# KiCad board hat_modder.kicad_pcb
title: afterglow 3.0 Hat; date: 2024; rev: 1.0; company: bitfield labs
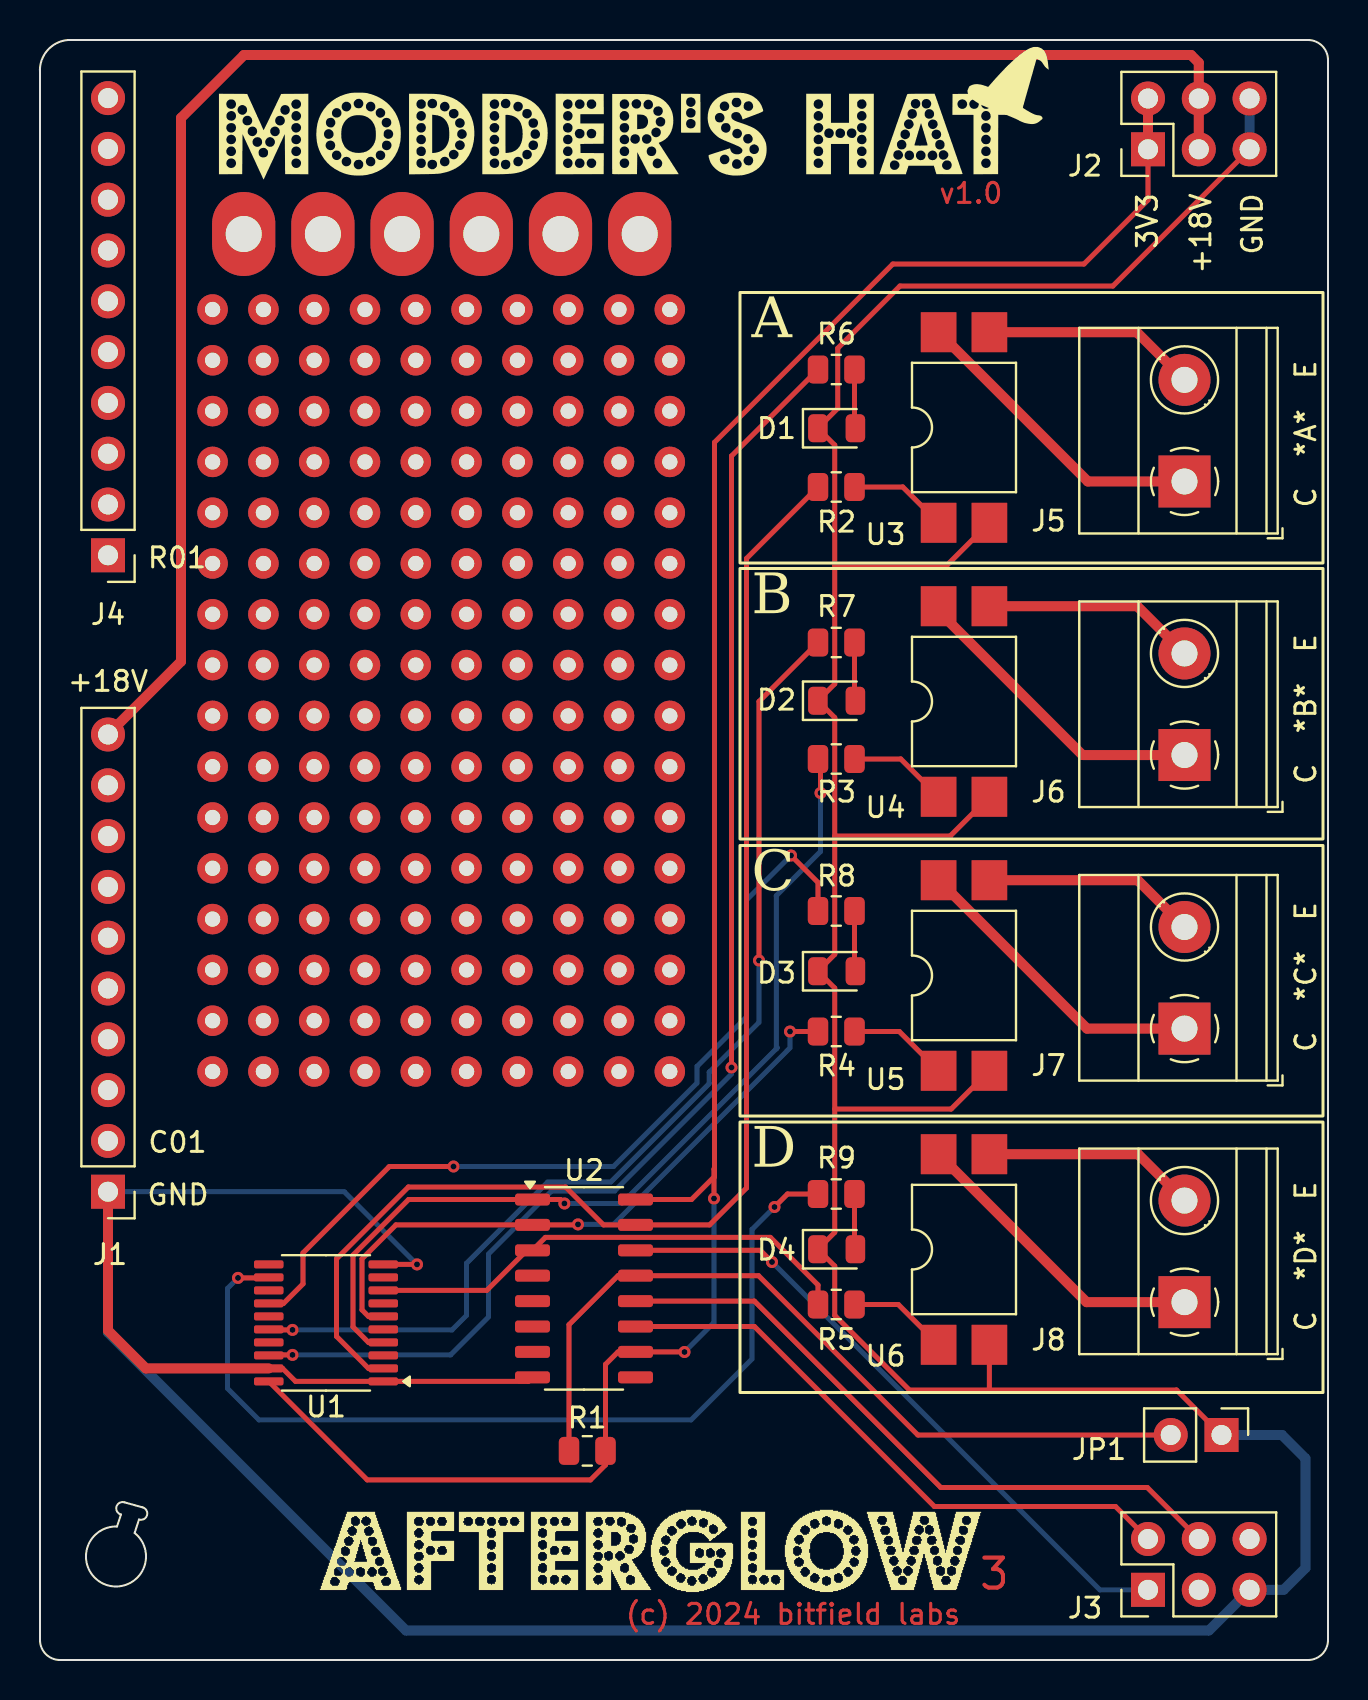
[diagram p0: board, top side]
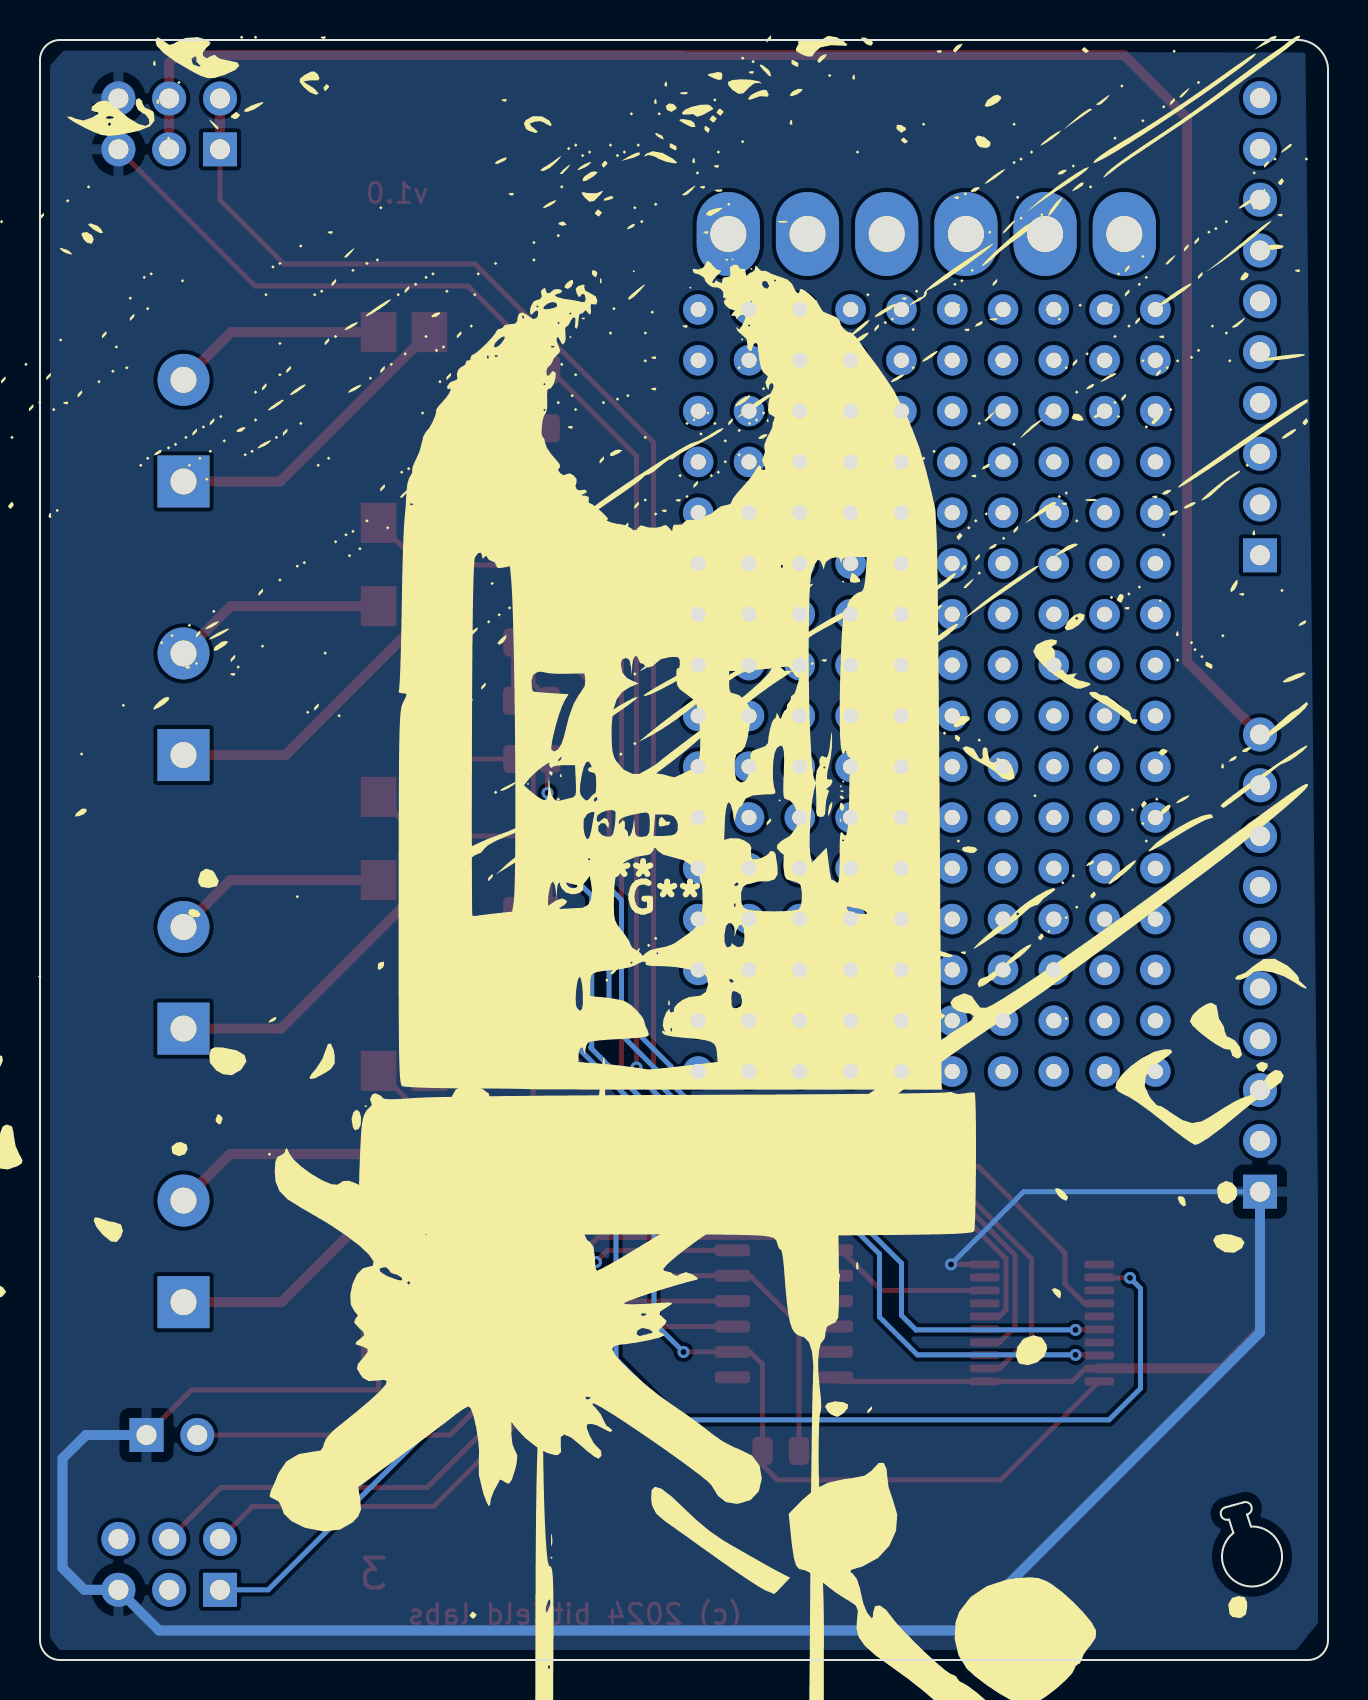
[diagram p1: board, bottom side, seen from below]

Outline 64.4 x 81 mm; copper layers: Top, Bottom. Coordinates in mm from the lower left corner of the outline.
Outline path: 4.95,7.03 4.73,6.35 arc(3.28,3.77) 3.85,6.68 4.05,7.28 arc(3.82,7.67) 4.23,7.88 5.13,7.63 arc(5.35,7.24) 4.95,7.03 ; 0,79.37 arc(0.37,80.48) 1.41,81 63.4,81 arc(64.11,80.71) 64.4,80 64.4,1 arc(64.11,0.29) 63.4,0 1,0 arc(0.29,0.29) 0,1 0,79.37
Stack: Top 0.035mm / dielectric 1.51mm FR4 er 4.5 / Bottom 0.035mm

## Placement (name value [footprint] x y rotation side)
afterglow  -  [afterglow]  14 7.5 0 top
D1  LED  [LED_0805_2012Metric]  39.83 61.59 0 top
D2  LED  [LED_0805_2012Metric]  39.83 47.96 0 top
D3  LED  [LED_0805_2012Metric]  39.83 34.44 0 top
D4  LED  [LED_0805_2012Metric]  39.83 20.54 0 top
DIYPAD**  -  [protopad]  8.63 67.53 0 top
G***  LOGO  [hat]  48.78 79.08 338 top
G***#2  LOGO  [modders_hat]  28.95 76.2 0 top
G***#3  LOGO  [background2]  32.65 38.1 180 bottom
G***#4  LOGO  [background]  36.14 39.12 180 bottom
J1  Conn_01x10_Pin  [PinHeader_1x10_P2.54mm_Vertical]  3.4 23.42 180 top
J2  Conn_02x03_Odd_Even  [PinHeader_2x03_P2.54mm_Vertical]  55.4 75.54 90 top
J3  Conn_02x03_Odd_Even  [PinHeader_2x03_P2.54mm_Vertical]  55.4 3.51 90 top
J4  Conn_01x10_Pin  [PinHeader_1x10_P2.54mm_Vertical]  3.4 55.24 180 top
J5  Conn_01x02_Socket  [TerminalBlock_Phoenix_MKDS-1,5-2-5.08_1x02_P5.08mm_Horizontal]  57.22 58.93 90 top
J6  Conn_01x02_Socket  [TerminalBlock_Phoenix_MKDS-1,5-2-5.08_1x02_P5.08mm_Horizontal]  57.22 45.25 90 top
J7  Conn_01x02_Socket  [TerminalBlock_Phoenix_MKDS-1,5-2-5.08_1x02_P5.08mm_Horizontal]  57.22 31.57 90 top
J8  Conn_01x02_Socket  [TerminalBlock_Phoenix_MKDS-1,5-2-5.08_1x02_P5.08mm_Horizontal]  57.22 17.89 90 top
JP1  Jumper_2_Open  [PinHeader_1x02_P2.54mm_Vertical]  59.08 11.25 270 top
R1  1k  [R_0805_2012Metric]  27.36 10.46 0 top
R2  220  [R_0805_2012Metric]  39.81 58.65 180 top
R3  220  [R_0805_2012Metric]  39.81 45.05 180 top
R4  220  [R_0805_2012Metric]  39.81 31.43 180 top
R5  220  [R_0805_2012Metric]  39.81 17.78 180 top
R6  1k  [R_0805_2012Metric]  39.81 64.53 180 top
R7  1k  [R_0805_2012Metric]  39.81 50.88 180 top
R8  1k  [R_0805_2012Metric]  39.81 37.45 180 top
R9  1k  [R_0805_2012Metric]  39.81 23.3 180 top
REF**  -  [P3.96mm_pinpad]  6.23 71.3 0 top
U1  74HC244  [TSSOP-20_4.4x6.5mm_P0.65mm]  14.3 16.86 180 top
U2  74HC595  [SO-16_3.9x9.9mm_P1.27mm]  27.2 18.58 0 top
U3  PC817  [SMDIP-4_W9.53mm]  46.2 61.63 90 top
U4  PC817  [SMDIP-4_W9.53mm]  46.2 47.93 90 top
U5  PC817  [SMDIP-4_W9.53mm]  46.2 34.23 90 top
U6  PC817  [SMDIP-4_W9.53mm]  46.2 20.53 90 top

## Library data of the parts
D1-D4 = -: JLCPCB: C72038; ki_fp_filters: LED* LED_SMD:* LED_THT:*
J1 J4 = -: ki_fp_filters: Connector*:*_1x??_*
J2 J3 = -: JLCPCB: C92272; ki_fp_filters: Connector*:*_2x??_*
J5-J8 = -: Description: Generic connector, single row, 01x02, script generated; ki_fp_filters: Connector*:*_1x??_*
JP1 = -: Description: Jumper, 2-pole, open; ki_fp_filters: Jumper* TestPoint*2Pads* TestPoint*Bridge*
R1 R6-R9 = -: JLCPCB: C11702; ki_fp_filters: R_*
R2-R5 = -: JLCPCB: C17557; ki_fp_filters: R_*
U1 = -: Datasheet: https://assets.nexperia.com/documents/data-sheet/74HC_HCT244.pdf; Description: 8-bit Buffer/Line Driver 3-state; ki_fp_filters: TSSOP*4.4x6.5mm*P0.65mm* SSOP*4.4x6.5mm*P0.65mm*
U2 = -: Datasheet: http://www.ti.com/lit/ds/symlink/sn74hc595.pdf; Description: 8-bit serial in/out Shift Register 3-State Outputs; ki_fp_filters: DIP*W7.62mm* SOIC*3.9x9.9mm*P1.27mm* TSSOP*4.4x5mm*P0.65mm* SOIC*5.3x10.2mm*P1.27mm* SOIC*7.5x10.3mm*P1.27mm*
U3-U6 = -: Datasheet: http://www.soselectronic.cz/a_info/resource/d/pc817.pdf; JLCPCB: C3025164; ki_fp_filters: DIP*W7.62mm*

## Footprints (pads in the part's own frame, mm; a bottom-side part is the same pattern mirrored in y, then rotated)
LED_0805_2012Metric
  rrect 0.975x1.4 smd: 1(-0.938,0) 2(0.938,0)
P3.96mm_pinpad
  oval 3.16x4.2 hole 1.8: 2(3.96,0) 3(7.92,0) 4(11.88,0) 5(15.84,0) 6(19.8,0) 7(23.76,0)
PinHeader_1x02_P2.54mm_Vertical
  rect 1.7x1.7 hole 1: 1(0,0)
  oval 1.7x1.7 hole 1: 2(0,-2.54)
PinHeader_1x10_P2.54mm_Vertical
  rect 1.7x1.7 hole 1: 1(0,0)
  oval 1.7x1.7 hole 1: 2(0,-2.54) 3(0,-5.08) 4(0,-7.62) 5(0,-10.16) 6(0,-12.7) 7(0,-15.24) 8(0,-17.78) 9(0,-20.32) 10(0,-22.86)
PinHeader_2x03_P2.54mm_Vertical
  rect 1.7x1.7 hole 1: 1(0,0)
  oval 1.7x1.7 hole 1: 2(2.54,0) 3(0,-2.54) 4(2.54,-2.54) 5(0,-5.08) 6(2.54,-5.08)
protopad
  round 1.524 hole 0.762: 1(0,0) 2(2.54,0) 3(5.08,0) 4(7.62,0) 5(10.16,0) 6(12.7,0) 7(15.24,0) 8(17.78,0) 9(20.32,0) 10(22.86,0) 11(0,-2.54) 12(2.54,-2.54) 13(5.08,-2.54) 14(7.62,-2.54) 15(10.16,-2.54) 16(12.7,-2.54) 17(15.24,-2.54) 18(17.78,-2.54) 19(20.32,-2.54) 20(22.86,-2.54) 21(0,-5.08) 22(2.54,-5.08) 23(5.08,-5.08) 24(7.62,-5.08) 25(10.16,-5.08) 26(12.7,-5.08) 27(15.24,-5.08) 28(17.78,-5.08) 29(20.32,-5.08) 30(22.86,-5.08) 31(0,-7.62) 32(2.54,-7.62) 33(5.08,-7.62) 34(7.62,-7.62) 35(10.16,-7.62) 36(12.7,-7.62) 37(15.24,-7.62) 38(17.78,-7.62) 39(20.32,-7.62) 40(22.86,-7.62) 41(0,-10.16) 42(2.54,-10.16) 43(5.08,-10.16) 44(7.62,-10.16) 45(10.16,-10.16) 46(12.7,-10.16) 47(15.24,-10.16) 48(17.78,-10.16) 49(20.32,-10.16) 50(22.86,-10.16) 51(0,-12.7) 52(2.54,-12.7) 53(5.08,-12.7) 54(7.62,-12.7) 55(10.16,-12.7) 56(12.7,-12.7) 57(15.24,-12.7) 58(17.78,-12.7) 59(20.32,-12.7) 60(22.86,-12.7) 61(0,-15.24) 62(2.54,-15.24) 63(5.08,-15.24) 64(7.62,-15.24) 65(10.16,-15.24) 66(12.7,-15.24) 67(15.24,-15.24) 68(17.78,-15.24) 69(20.32,-15.24) 70(22.86,-15.24) 71(0,-17.78) 72(2.54,-17.78) 73(5.08,-17.78) 74(7.62,-17.78) 75(10.16,-17.78) 76(12.7,-17.78) 77(15.24,-17.78) 78(17.78,-17.78) 79(20.32,-17.78) 80(22.86,-17.78) 81(0,-20.32) 82(2.54,-20.32) 83(5.08,-20.32) 84(7.62,-20.32) 85(10.16,-20.32) 86(12.7,-20.32) 87(15.24,-20.32) 88(17.78,-20.32) 89(20.32,-20.32) 90(22.86,-20.32) 91(0,-22.86) 92(2.54,-22.86) 93(5.08,-22.86) 94(7.62,-22.86) 95(10.16,-22.86) 96(12.7,-22.86) 97(15.24,-22.86) 98(17.78,-22.86) 99(20.32,-22.86) 100(22.86,-22.86) 101(0,-25.4) 102(2.54,-25.4) 103(5.08,-25.4) 104(7.62,-25.4) 105(10.16,-25.4) 106(12.7,-25.4) 107(15.24,-25.4) 108(17.78,-25.4) 109(20.32,-25.4) 110(22.86,-25.4) 111(0,-27.94) 112(2.54,-27.94) 113(5.08,-27.94) 114(7.62,-27.94) 115(10.16,-27.94) 116(12.7,-27.94) 117(15.24,-27.94) 118(17.78,-27.94) 119(20.32,-27.94) 120(22.86,-27.94) 121(0,-30.48) 122(2.54,-30.48) 123(5.08,-30.48) 124(7.62,-30.48) 125(10.16,-30.48) 126(12.7,-30.48) 127(15.24,-30.48) 128(17.78,-30.48) 129(20.32,-30.48) 130(22.86,-30.48) 131(0,-33.02) 132(2.54,-33.02) 133(5.08,-33.02) 134(7.62,-33.02) 135(10.16,-33.02) 136(12.7,-33.02) 137(15.24,-33.02) 138(17.78,-33.02) 139(20.32,-33.02) 140(22.86,-33.02) 141(0,-35.56) 142(2.54,-35.56) 143(5.08,-35.56) 144(7.62,-35.56) 145(10.16,-35.56) 146(12.7,-35.56) 147(15.24,-35.56) 148(17.78,-35.56) 149(20.32,-35.56) 150(22.86,-35.56) 151(0,-38.1) 152(2.54,-38.1) 153(5.08,-38.1) 154(7.62,-38.1) 155(10.16,-38.1) 156(12.7,-38.1) 157(15.24,-38.1) 158(17.78,-38.1) 159(20.32,-38.1) 160(22.86,-38.1)
R_0805_2012Metric
  rrect 1.025x1.4 smd: 1(-0.912,0) 2(0.912,0)
SMDIP-4_W9.53mm
  rect 2x1.78 smd: 1(-4.765,1.27) 2(-4.765,-1.27) 3(4.765,-1.27) 4(4.765,1.27)
SO-16_3.9x9.9mm_P1.27mm
  rrect 1.75x0.6 smd: 1(-2.575,4.445) 2(-2.575,3.175) 3(-2.575,1.905) 4(-2.575,0.635) 5(-2.575,-0.635) 6(-2.575,-1.905) 7(-2.575,-3.175) 8(-2.575,-4.445) 9(2.575,-4.445) 10(2.575,-3.175) 11(2.575,-1.905) 12(2.575,-0.635) 13(2.575,0.635) 14(2.575,1.905) 15(2.575,3.175) 16(2.575,4.445)
TerminalBlock_Phoenix_MKDS-1,5-2-5.08_1x02_P5.08mm_Horizontal
  rect 2.6x2.6 hole 1.3: 1(0,0)
  round 2.6 hole 1.3: 2(5.08,0)
TSSOP-20_4.4x6.5mm_P0.65mm
  rrect 1.475x0.4 smd: 1(-2.862,2.925) 2(-2.862,2.275) 3(-2.862,1.625) 4(-2.862,0.975) 5(-2.862,0.325) 6(-2.862,-0.325) 7(-2.862,-0.975) 8(-2.862,-1.625) 9(-2.862,-2.275) 10(-2.862,-2.925) 11(2.862,-2.925) 12(2.862,-2.275) 13(2.862,-1.625) 14(2.862,-0.975) 15(2.862,-0.325) 16(2.862,0.325) 17(2.862,0.975) 18(2.862,1.625) 19(2.862,2.275) 20(2.862,2.925)

## Nets
/3V3: J2.1 J2.2 R1.2 U1.20 U2.10 U2.16
/18V: J1.10 J2.3 J2.4
GND: D1.1 D2.1 D3.1 D4.1 J1.1 J2.5 J2.6 J3.5 JP1.1 U1.1 U1.10 U1.19 U2.8 U3.2 U4.2 U5.2 U6.2
/CO_A: J5.1 U3.4
/CO_B: J6.1 U4.4
/CO_C: J7.1 U5.4
/CO_D: J8.1 U6.4
/D_SCL: J3.3
/D_SDA: J3.6
/EM_A: J5.2 U3.3
/EM_B: J6.2 U4.3
/EM_C: J7.2 U5.3
/EM_D: J8.2 U6.3
/LED_A: R6.2 U1.18
/LED_B: R7.2 U1.16
/LED_C: R8.2 U1.14
/LED_D: R9.2 U1.12
/MOS_CO1: J1.2
/MOS_CO2: J1.3
/MOS_CO3: J1.4
/MOS_CO4: J1.5
/MOS_CO5: J1.6
/MOS_CO6: J1.7
/MOS_CO7: J1.8
/MOS_CO8: J1.9
/MOS_RO1: J4.1
/MOS_RO2: J4.2
/MOS_RO3: J4.3
/MOS_RO4: J4.4
/MOS_RO5: J4.5
/MOS_RO6: J4.6
/MOS_RO7: J4.7
/MOS_RO8: J4.8
/MOS_RO9: J4.9
/MOS_RO10: J4.10
/OUT_A: R2.2 U1.2 U2.15
/OUT_B: R3.2 U1.4 U2.1
/OUT_C: R4.2 U1.6 U2.2
/OUT_CLK: J3.2 U2.11
/OUT_D: R5.2 U1.8 U2.3
/OUT_DATA: J3.1 U2.14
/OUT_LOAD: J3.4 U2.12
Net-(D1-A): D1.2 R6.1
Net-(D2-A): D2.2 R7.1
Net-(D3-A): D3.2 R8.1
Net-(D4-A): D4.2 R9.1
Net-(JP1-B): JP1.2 R1.1 U2.13
Net-(R2-Pad1): R2.1 U3.1
Net-(R3-Pad1): R3.1 U4.1
Net-(R4-Pad1): R4.1 U5.1
Net-(R5-Pad1): R5.1 U6.1

Pads without a net: DIYPAD** 1 2 3 4 5 6 7 8 9 10 11 12 13 14 15 16 17 18 19 20 21 22 23 24 25 26 27 28 29 30 31 32 33 34 35 36 37 38 39 40 41 42 43 44 45 46 47 48 49 50 51 52 53 54 55 56 57 58 59 60 61 62 63 64 65 66 67 68 69 70 71 72 73 74 75 76 77 78 79 80 81 82 83 84 85 86 87 88 89 90 91 92 93 94 95 96 97 98 99 100 101 102 103 104 105 106 107 108 109 110 111 112 113 114 115 116 117 118 119 120 121 122 123 124 125 126 127 128 129 130 131 132 133 134 135 136 137 138 139 140 141 142 143 144 145 146 147 148 149 150 151 152 153 154 155 156 157 158 159 160; REF** 2 3 4 5 6 7; U1 3 5 7 9 11 13 15 17; U2 4 5 6 7 9

## Via types
v1: diameter 0.6, hole 0.3, Top to Bottom, 16 vias

## Routing (per net, layer and track width the routed paths; a pad name or vN(x,y) marks a point on that pad's centre or on a via; arc(x,y) is an arc through that point)
/3V3: length 111.2
  Top w0.25: v1(33.7,23.08) 33.7,24.55 33.72,24.58 ; U2.16 32.58,23.03 33.72,24.18 ; U1.20 16.36,9.01 27.53,9.01 28.28,9.76 R1.2 28.28,14.78 28.9,15.41 U2.10 32.22,15.41 v1(32.22,15.4) ; 33.72,24.58 33.72,24.18 ; 33.72,24.58 33.72,60.88 42.64,69.8 52.2,69.8 55.4,73 J2.1 ; 33.72,24.18 33.72,24.15
  Top w0.5: 55.4,78.08 J2.1
  Bottom w0.25: v1(32.22,15.4) 33.7,16.88 v1(33.7,23.08)
/18V: length 89
  Top w0.5: J1.10 7.05,49.93 7.05,77.1 10.2,80.25 57.55,80.25 57.94,79.86 J2.3
GND: length 260.7
  Top w0.25: 39.74,41.2 39.74,47.12 D2.1 39.74,48.81 39.74,54.75 ; 39.74,41.2 39.74,35.28 D3.1 39.74,33.6 39.74,27.55 ; 39.74,41.2 45.51,41.2 U4.2 ; 39.74,54.75 39.74,60.75 D1.1 39.89,62.58 39.89,65.59 43,68.7 53.65,68.7 J2.5 ; 39.74,54.75 45.36,54.75 U3.2 ; U1.10 v1(18.85,19.78) ; 47.45,13.5 56.83,13.5 JP1.1 ; 47.45,13.5 47.47,13.52 U6.2 ; 47.45,13.5 43.47,13.5 39.74,17.23 39.74,19.7 D4.1 39.74,21.38 39.74,27.55 ; 39.74,27.55 45.56,27.55 U5.2 ; U1.19 12.13,14.58 12.78,13.93 U1.1 24.42,13.93 24.62,14.14
  Top w0.5: U1.19 5.3,14.58 3.4,16.48 J1.1
  Bottom w0.25: J1.1 15.22,23.42 v1(18.85,19.78)
  Bottom w0.5: JP1.1 62.1,11.25 63.28,10.08 63.28,4.6 62.19,3.51 J3.5 58.44,1.48 18.3,1.48 3.4,16.38 J1.1 ; 60.48,78.08 J2.5
/CO_A: length 15.4
  Top w0.5: U3.4 52.39,58.93 J5.1
/CO_B: length 15.5
  Top w0.5: J6.1 52.12,45.25 44.93,52.44 U4.4
/CO_C: length 15.4
  Top w0.5: J7.1 52.35,31.57 U5.4
/CO_D: length 15.4
  Top w0.5: U6.4 52.33,17.89 J8.1
/EM_A: length 10.7
  Top w0.5: U3.3 54.84,66.39 J5.2
/EM_B: length 10.7
  Top w0.5: J6.2 54.86,52.69 U4.3
/EM_C: length 10.7
  Top w0.5: U5.3 54.89,38.99 J7.2
/EM_D: length 10.7
  Top w0.5: U6.3 54.91,25.29 J8.2
/LED_A: length 67.8
  Top w0.25: v1(34.58,29.63) 34.58,60.2 R6.2 ; v1(12.62,15.26) 11.46,15.26 U1.18
  Bottom w0.25: v1(12.62,15.26) 20.53,15.26 22.43,17.15 22.43,20.3 25.58,23.45 28.73,23.45 34.58,29.3 v1(34.58,29.63)
/LED_B: length 53
  Top w0.25: v1(35.95,34.98) 35.95,47.93 R7.2 ; U1.16 11.46,16.51 v1(12.62,16.51)
  Bottom w0.25: 20.6,16.51 v1(12.62,16.51) ; 20.6,16.51 21.33,17.23 21.33,19.84 25.39,23.9 28.54,23.9 33.46,28.82 33.46,29.39 35.95,31.88 v1(35.95,34.98) ; 20.6,16.51 20.61,16.51
/LED_C: length 43.5
  Top w0.25: U1.14 12.17,17.83 13.15,18.81 13.15,20.36 17.47,24.68 v1(20.68,24.68) ; R8.2 38.9,38.88 v1(37.55,40.23)
  Bottom w0.25: v1(20.68,24.68) 28.68,24.68 32.85,28.85 32.85,29.68 35.33,32.15 35.33,38 v1(37.55,40.23)
/LED_D: length 45.9
  Top w0.25: v1(36.72,22.65) 37.38,23.3 R9.2 ; v1(9.9,19.11) 11.41,19.11 U1.12
  Bottom w0.25: v1(9.9,19.11) 9.38,18.58 9.38,13.58 10.95,12.01 32.56,12.01 35.6,15.05 35.6,21.53 v1(36.72,22.65)
/OUT_A: length 66.9
  Top w0.25: R2.2 35.33,55.08 35.33,23.6 33.48,21.76 U2.15 28.18,21.76 26.28,23.65 18.42,23.65 14.83,20.06 14.83,16.18 16.43,14.58 U1.2
/OUT_B: length 46.6
  Top w0.25: v1(39.03,43.35) 39.03,44.93 R3.2 ; v1(26.22,22.83) 26.02,23.03 18.43,23.03 15.65,20.25 15.65,16.66 16.43,15.88 U1.4
  Bottom w0.25: 36.81,30.56 36.81,38.21 39.03,40.43 v1(39.03,43.35) ; 36.81,30.56 36.88,30.62 ; 36.81,30.56 29.08,22.83 v1(26.22,22.83)
/OUT_C: length 31.7
  Top w0.25: U1.6 16.43,17.18 16.1,17.51 16.1,20.06 17.8,21.76 26.88,21.76 v1(26.9,21.78) ; v1(37.5,31.43) R4.2
  Bottom w0.25: v1(26.9,21.78) 28.67,21.78 37.5,30.61 v1(37.5,31.43)
/OUT_CLK: length 30
  Top w0.25: U2.11 35.72,16.68 44.72,7.68 53.78,7.68 J3.2
/OUT_D: length 24.8
  Top w0.25: R5.2 38.9,18.75 36.52,21.13 25.27,21.13 24.62,20.49 24.34,20.49 22.34,18.48 U1.8
/OUT_DATA: length 32.7
  Top w0.25: v1(36.6,19.9) 36.02,20.49 U2.14
  Bottom w0.25: J3.1 52.99,3.51 v1(36.6,19.9)
/OUT_LOAD: length 33.1
  Top w0.25: J3.4 55.37,8.63 45.04,8.63 35.72,17.95 U2.12
Net-(D1-A): length 3
  Top w0.25: D1.2 40.72,61.63 R6.1
Net-(D2-A): length 2.9
  Top w0.25: R7.1 40.72,48.01 D2.2
Net-(D3-A): length 3
  Top w0.25: R8.1 40.72,34.48 D3.2
Net-(D4-A): length 2.8
  Top w0.25: R9.1 40.72,20.58 D4.2
Net-(JP1-B): length 40.7
  Top w0.25: R1.1 26.45,16.76 28.9,19.22 U2.13 35.93,19.22 43.89,11.25 JP1.2
Net-(R2-Pad1): length 4.9
  Top w0.25: R2.1 43.14,58.65 U3.1
Net-(R3-Pad1): length 5
  Top w0.25: R3.1 43.04,45.05 U4.1
Net-(R4-Pad1): length 5
  Top w0.25: U5.1 42.97,31.43 R4.1
Net-(R5-Pad1): length 5
  Top w0.25: U6.1 42.91,17.78 R5.1

## Copper pours and planes (outline as drawn; the poured copper is in the pictures)
GND on Bottom: 1.12,80.38 63.22,80.48 64.05,79.55 64.05,1.3 63.33,0.38 1.65,0.43 0.28,2.12

## Text on the board
Top: (c) 2024 bitfield labs | v1.0 | 3
F.Mask: (c) 2024 bitfield labs | v1.0 | 3
F.Silkscreen: +18V | R01 | C01 | GND | 3V3 | C  *A*  E | C  *B*  E | C  *C*  E | C  *D*  E | A | B | C | D
